# Altium PCB RTM_SFP_no-teardrops.PcbDoc (part 1 of 7) (continued)
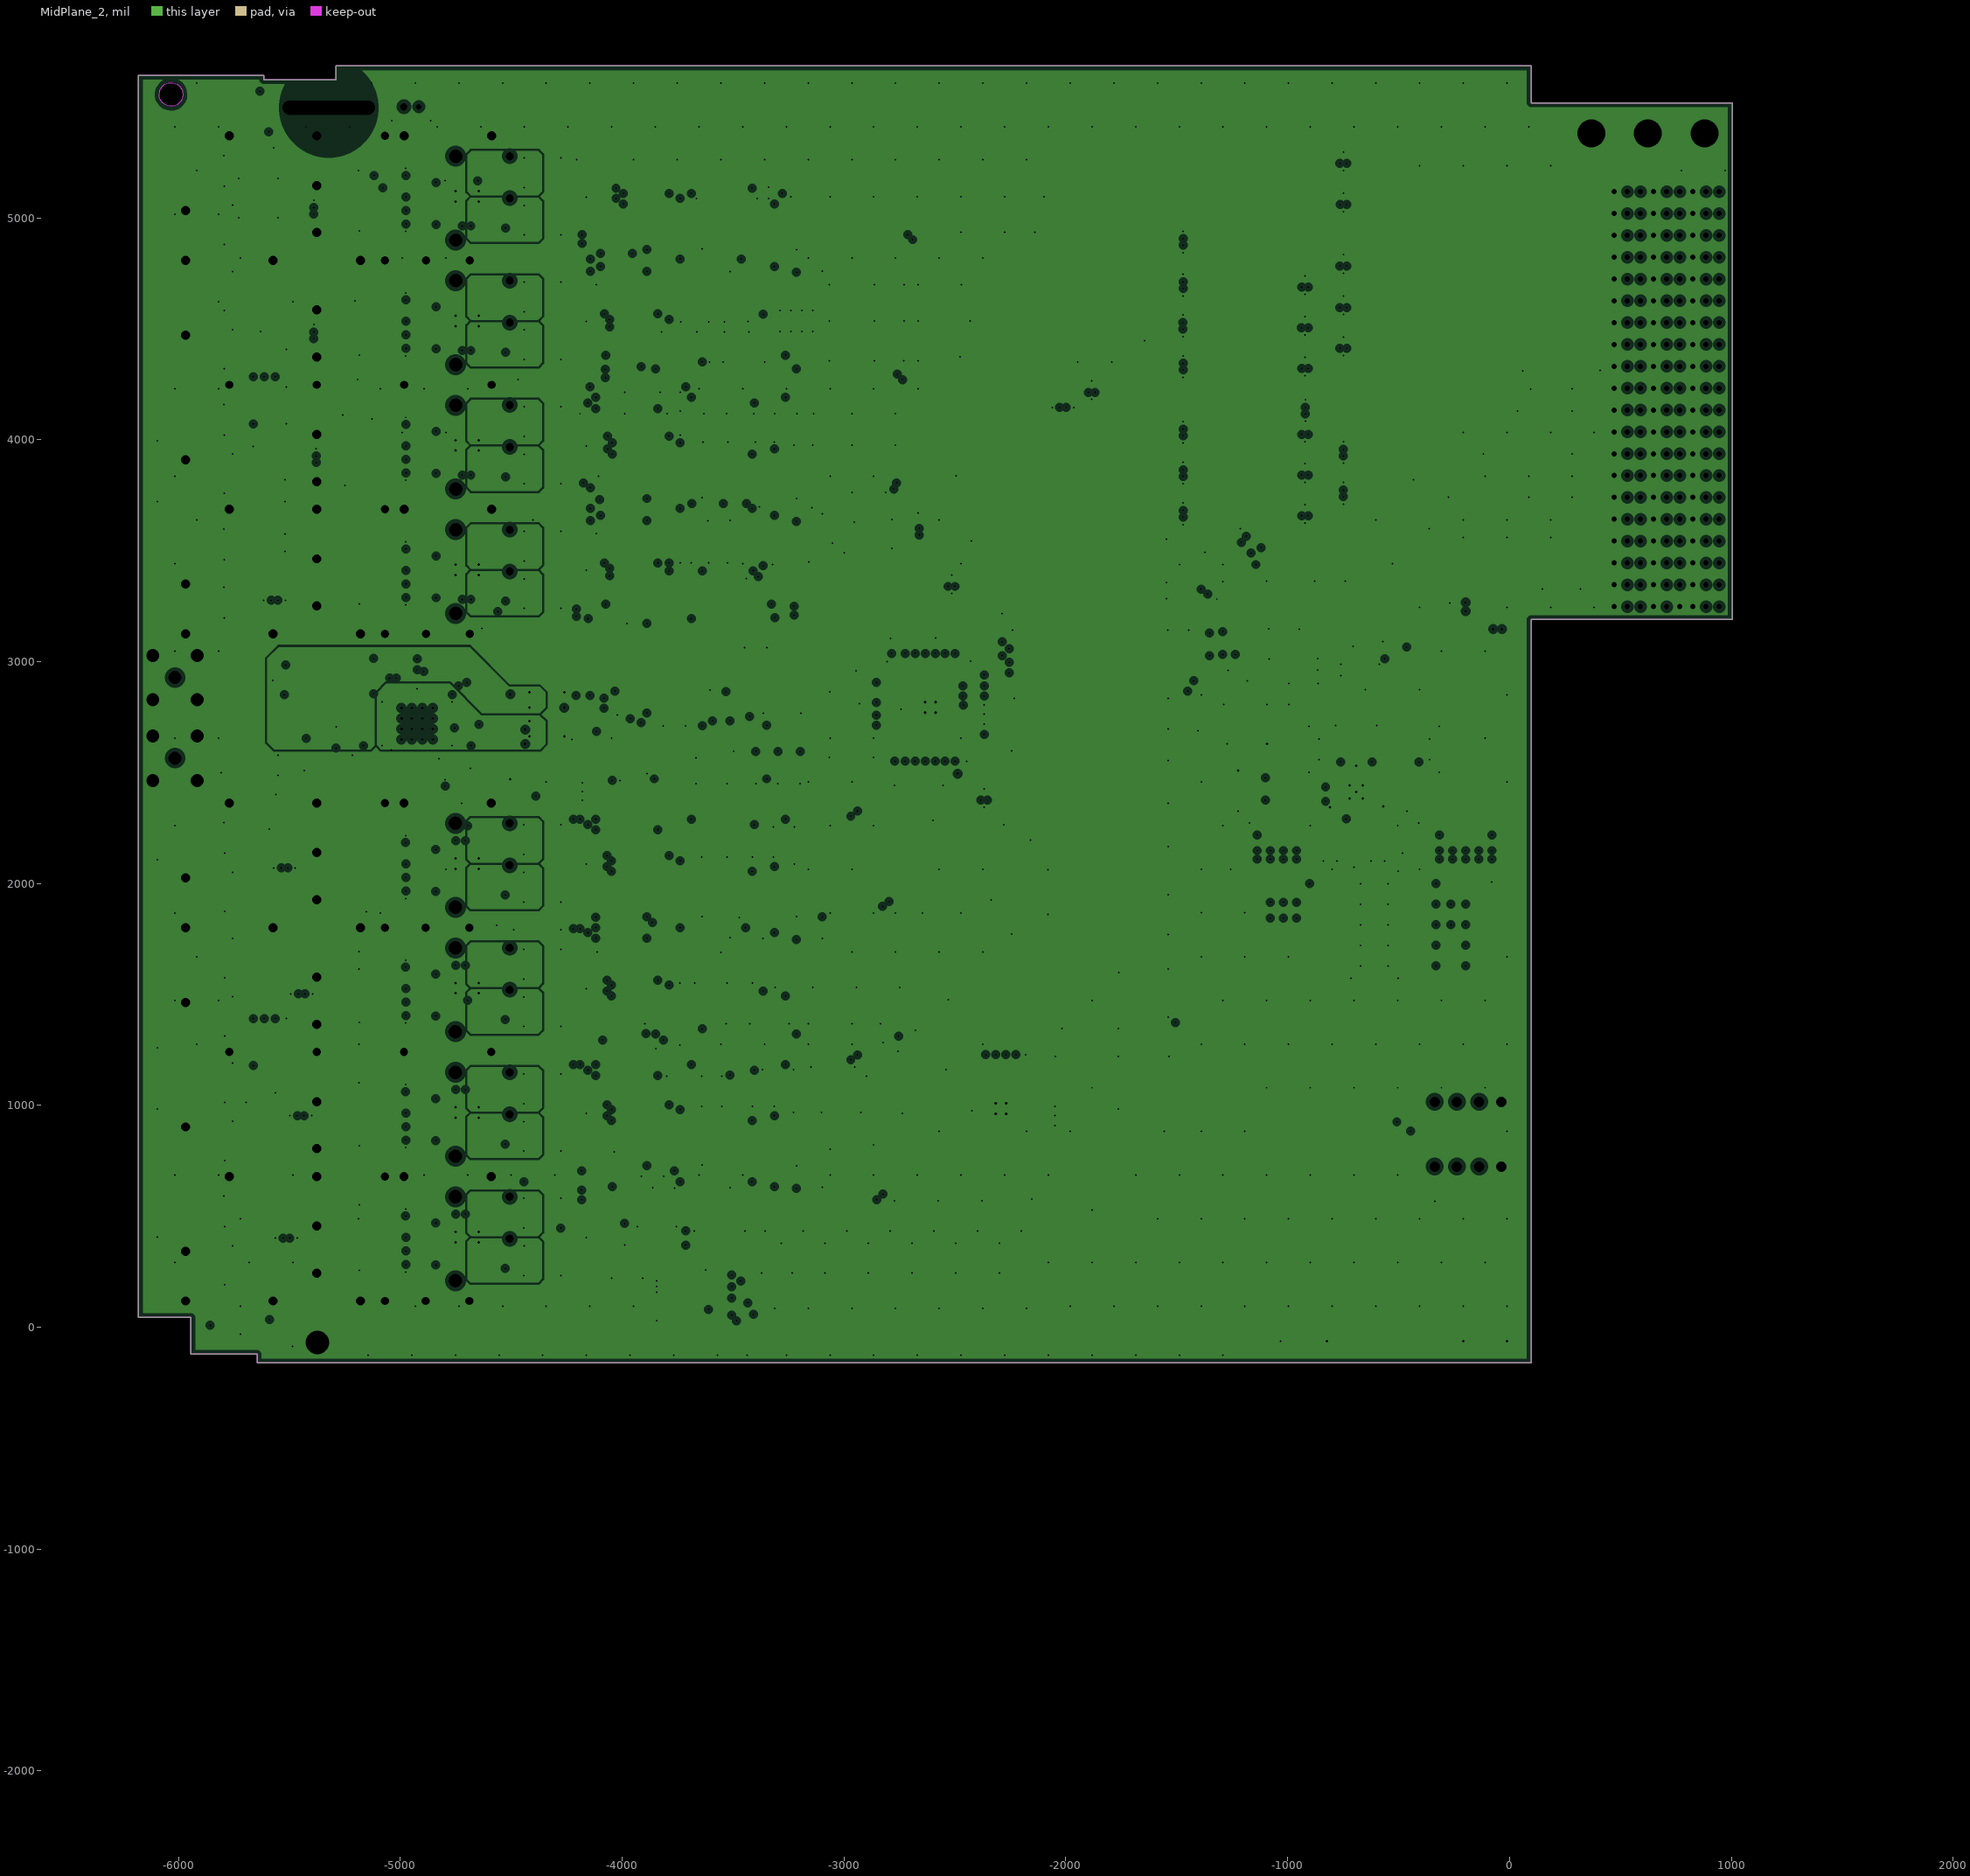
[diagram p3: MidPlane_2, clearances drawn from the general rule]
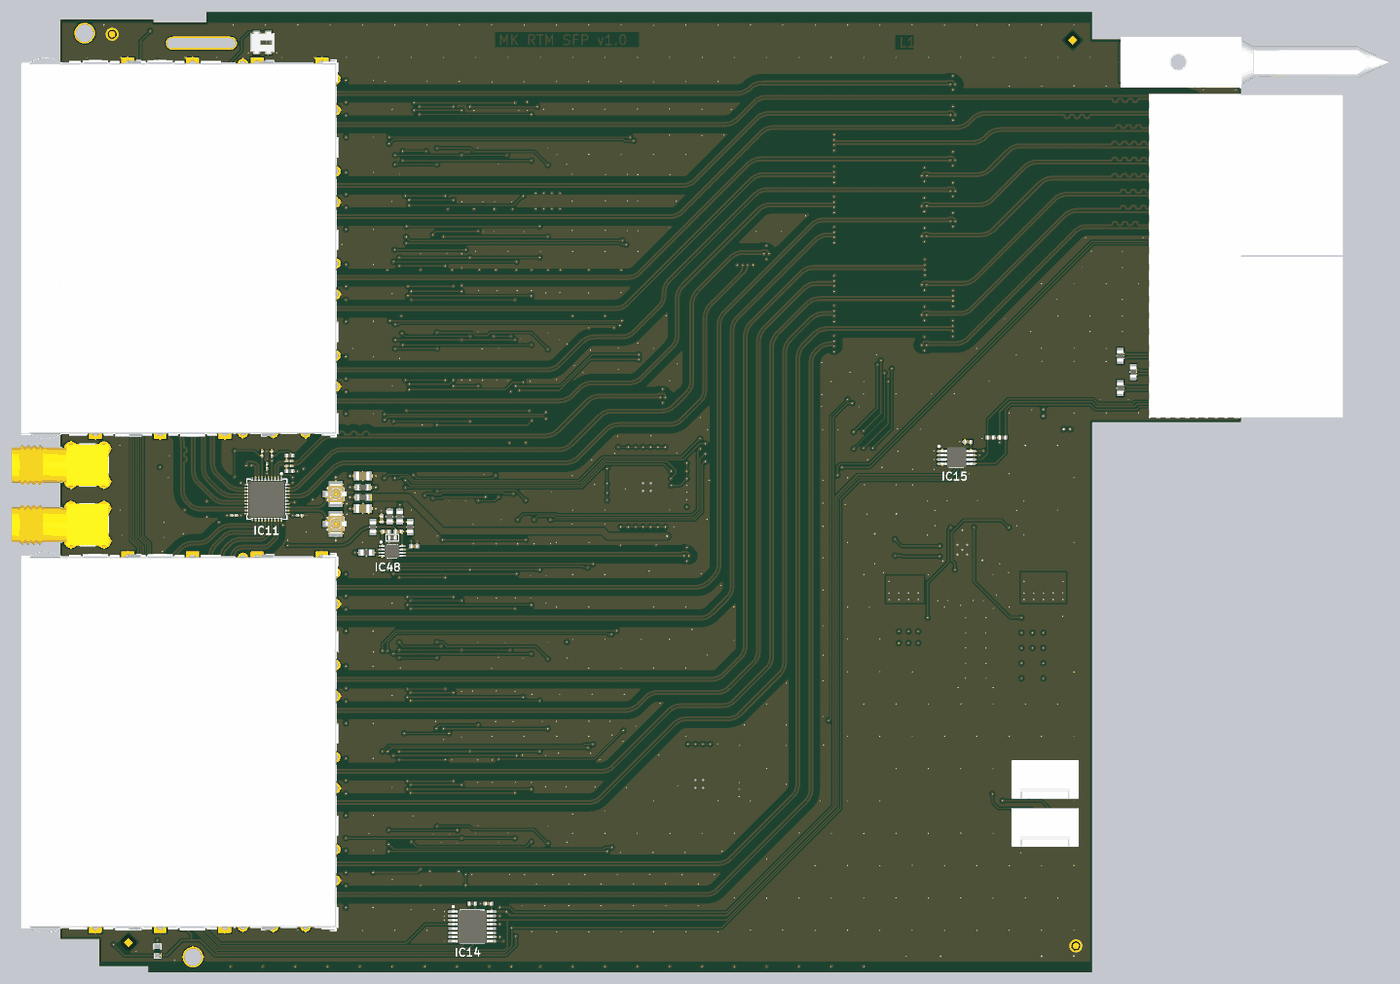
[diagram p10: 3D render of the assembled board from above, using the file's embedded part models]
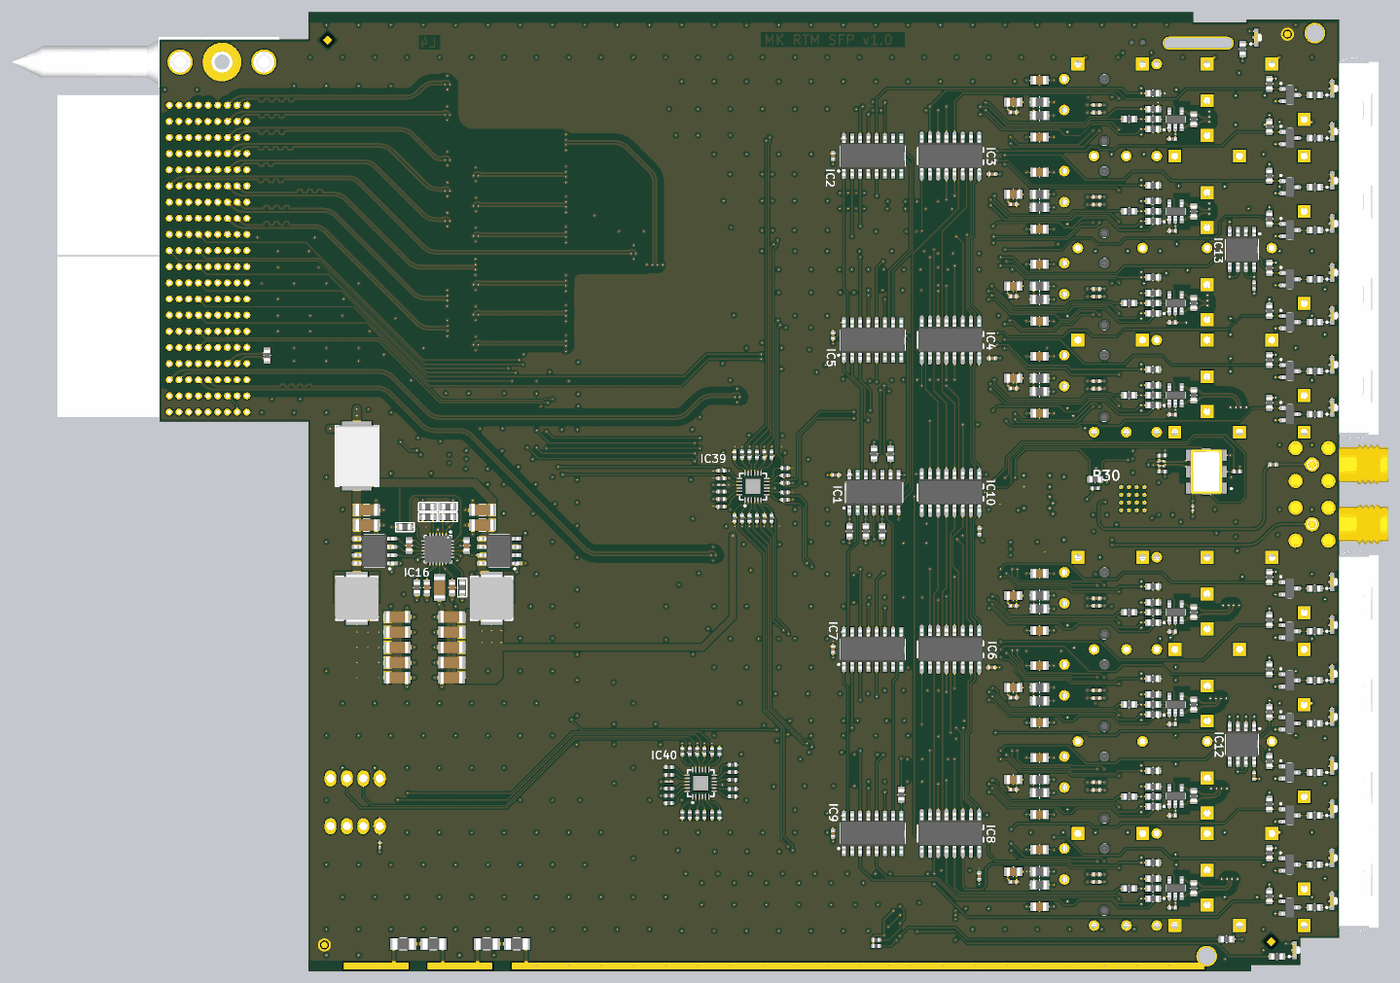
[diagram p11: 3D render of the assembled board from below, using the file's embedded part models]

## Layer stack, top to bottom
Top Layer: signal copper 1.4
Dielectric: prepreg 15, FR-4, Dk 4.8
MidPlane_1: plane copper 1.4, net (Multiple Nets)
Dielectric: core 27.9528, FR-4, Dk 4.8
MidPlane_2: plane copper 1.4, net (Multiple Nets)
Dielectric: prepreg 15, FR-4, Dk 4.8
Bottom Layer: signal copper 1.4

## Board outline
-5944.92,-121.57 -5944.92,43.73 -6181.12,43.73 -6181.12,5642.23 -5615.72,5642.23 -5615.72,5622.53 -5291.32,5622.53 -5291.32,5685.53 98.38,5685.53 98.38,5518.13 1003.88,5518.13 1003.88,3189.43 98.38,3189.43 98.38,-160.97 -5645.72,-160.97 -5645.72,-121.57
cut-out: -6032.33,5609.03 cw(c-6032.33,5557.82) -5996.12,5594.03 cw(c-6032.33,5557.82) -5981.12,5557.82 -5981.12,5554.03 cw(c-6029.4,5554.03) -5995.26,5519.89 -6001.12,5514.03 cw(c-6025.26,5538.17) -6025.26,5504.03 -6036.12,5504.03 cw(c-6036.12,5552.32) -6070.26,5518.17 -6076.12,5524.03 cw(c-6051.98,5548.17) -6086.12,5548.17 -6086.12,5559.03 cw(c-6037.83,5559.03) -6071.98,5593.17 -6066.12,5599.03 cw(c-6041.98,5574.89) -6041.98,5609.03

## Design rules (kind name [scope] priority, off if disabled: settings)
Clearance Clearance_KO [OnLayer('Keep-Out Layer')] p1: gap=10
Clearance Clearance_Poly_DS [(InDifferentialPairClass('All Differential Pairs')) vs InPolygon] p2: gap=40
Clearance Clearance_Poly [InPolygon] p3: gap=8
Clearance Clearance_DS&CLK [(InNet('SFP_CLK*') OR InNet('FPGA_CLK*'))] p4: gap=6
Clearance Clearance_DS&RTM [WithinRoom('U_RTM_Connectors')] p5: gap=6
Clearance Clearance_DS [All] p6: gap=50
Clearance [All] p7: gap=6
DiffPairsRouting [All] p1: maxlimit=6 minlimit=6 mostfreqgap=6 maxuncoupledlength=500
HoleSize [All] p1: absolutevalues=TRUE maxlimit=472.44 minlimit=1 maxpercent=80.000 minpercent=20.000
MinimumSolderMaskSliver [All] p1: minsoldermaskwidth=0
PlaneClearance [All] p1: clearance=16.73
PlaneConnect PlaneConnect_Via [IsVia] p1: planeconnectstyle=Direct reliefexpansion=20 reliefentries=4 reliefconductorwidth=10 reliefairgap=10
PlaneConnect [All] p2: planeconnectstyle=Relief reliefexpansion=10 reliefentries=4 reliefconductorwidth=10 reliefairgap=10
PolygonConnect PolygonConnect_Via [IsVia] p1: connectstyle=Direct reliefconductorwidth=10 reliefentries=4 polygonreliefangle="90 Angle"
PolygonConnect [All] p2: connectstyle=Relief reliefconductorwidth=10 reliefentries=4 polygonreliefangle="90 Angle"
RoomDefinition U_PWR [InComponentClass('U_PWR')] p1: confinementstyle=ConfineIn formatcopy=TRUE lockcomponents=FALSE outline -1223.64,1737.46 23.21,1737.46 23.21,2711.47 -1223.64,2711.47
RoomDefinition RTM_SFP_TOP [InComponentClass('RTM_SFP_TOP')] p2: confinementstyle=ConfineIn formatcopy=TRUE lockcomponents=FALSE outline -6376,-49.94 -197.65,-49.94 -197.65,5430.37 -6376,5430.37
RoomDefinition U_USR_IO_IPMI [InComponentClass('U_USR_IO_IPMI')] p3: confinementstyle=ConfineIn formatcopy=TRUE lockcomponents=FALSE outline -5961.83,-106.99 -5961.83,44.9 -5727.57,44.9 -5727.57,5606.91 -5623.91,5606.91 -5623.91,5594.11 -4861.11,5594.11 -4861.11,3124.76 -400.04,3124.76 -400.04,3067.36 -589.02,3067.36 -589.02,2892.95 -3314.21,2892.95 -3314.21,-35.79 -5554.61,-35.79 -5554.61,-94.31 -5732.14,-94.31 -5732.14,-110.93 -5872.22,-110.93 -5872.22,-106.99
RoomDefinition U_Serial_Registers [InComponentClass('U_Serial_Registers')] p4: confinementstyle=ConfineIn formatcopy=TRUE lockcomponents=FALSE outline -4114.98,371.32 -3066.16,371.32 -3066.16,5065.8 -4114.98,5065.8
RoomDefinition U_RTM_Connectors [InComponentClass('U_RTM_Connectors')] p5: confinementstyle=ConfineIn formatcopy=TRUE lockcomponents=FALSE outline -79.53,3189.37 1672.83,3189.37 1672.83,5226.77 -79.53,5226.77
RoomDefinition U_I2C_Switch [InComponentClass('U_I2C_Switch')] p6: confinementstyle=ConfineIn formatcopy=TRUE lockcomponents=FALSE outline -2851.34,2685.08 -2851.34,2934.8 -2753.31,2934.8 -2753.31,3034.41 -2470.12,3034.41 -2470.12,2919.25 -2370.51,2919.25 -2370.51,1226.33 -2151.67,1226.33 -2151.67,1140.15 26.91,1140.15 26.91,594.94 -312.26,594.94 -312.26,569.33 -361.79,569.33 -361.79,594.94 -400.96,594.94 -400.96,745.31 -2434.86,745.31 -2434.86,876.8 -2532.89,876.8 -2532.89,2553.58 -2753.31,2553.58 -2753.31,2685.08
RoomDefinition U_Clock_Distribution [InComponentClass('U_Clock_Distribution')] p7: confinementstyle=ConfineIn formatcopy=TRUE lockcomponents=FALSE outline -6492.14,2469.74 -4261.83,2469.74 -4261.83,3087.85 -6492.14,3087.85
RoomDefinition U_SFP8 [InComponentClass('U_SFP8')] p8: confinementstyle=ConfineIn formatcopy=TRUE lockcomponents=FALSE outline -6375.21,4768.95 -4059.86,4768.95 -4059.86,5409.11 -6375.21,5409.11
RoomDefinition U_SFP7 [InComponentClass('U_SFP7')] p9: confinementstyle=ConfineIn formatcopy=TRUE lockcomponents=FALSE outline -6375.21,4207.93 -4059.86,4207.93 -4059.86,4848.09 -6375.21,4848.09
RoomDefinition U_SFP6 [InComponentClass('U_SFP6')] p10: confinementstyle=ConfineIn formatcopy=TRUE lockcomponents=FALSE outline -6375.21,3646.91 -4059.86,3646.91 -4059.86,4287.06 -6375.21,4287.06
RoomDefinition U_SFP5 [InComponentClass('U_SFP5')] p11: confinementstyle=ConfineIn formatcopy=TRUE lockcomponents=FALSE outline -6375.21,3085.88 -4059.86,3085.88 -4059.86,3726.04 -6375.21,3726.04
RoomDefinition U_SFP4 [InComponentClass('U_SFP4')] p12: confinementstyle=ConfineIn formatcopy=TRUE lockcomponents=FALSE outline -6376,1761.87 -4059.86,1761.87 -4059.86,2402.02 -6376,2402.02
RoomDefinition U_SFP3 [InComponentClass('U_SFP3')] p13: confinementstyle=ConfineIn formatcopy=TRUE lockcomponents=FALSE outline -6376,1200.84 -4059.86,1200.84 -4059.86,1841 -6376,1841
RoomDefinition U_SFP2 [InComponentClass('U_SFP2')] p14: confinementstyle=ConfineIn formatcopy=TRUE lockcomponents=FALSE outline -6376,639.82 -4059.86,639.82 -4059.86,1279.98 -6376,1279.98
RoomDefinition U_SFP1 [InComponentClass('U_SFP1')] p15: confinementstyle=ConfineIn formatcopy=TRUE lockcomponents=FALSE outline -6376,78.8 -4059.86,78.8 -4059.86,718.95 -6376,718.95
RoutingVias [All] p1: holewidth=7.87 width=23.62 viastyle="Through Hole" minholewidth=7.87 minwidth=23.62 maxholewidth=23.62 maxwidth=47.24
SilkToSilkClearance [All] p1: silktosilkclearance=6
SilkscreenOverComponentPads [IsPad] p1: minsilkscreentomaskgap=0
SolderMaskExpansion [All] p1: expansion=4
Width Width_DS [(InDifferentialPairClass('All Differential Pairs'))] p1: maxlimit=12 minlimit=6 preferedwidth=12
Width [All] p2: maxlimit=50 minlimit=6 preferedwidth=6
21 further rules are at their usual default settings.

## Classes and differential pairs
component class U_PWR: C9 C10 C11 C12 C14 C15 C84 C176 C179 C180 C181 C182 C207 C208 C209 C210 C213 C280 C386 IC16 L1 L2 R17 R18 R53 R54 R195 R246 R248 T5 T6
channel class SFP: U_SFP1 U_SFP2 U_SFP3 U_SFP4 U_SFP5 U_SFP6 U_SFP7 U_SFP8
component class U_SFP8: C13H C186H C202H C214H C219H C220H C228H IC20H J5H L5H L11H LD1H LD2H R1H R10H R11H R12H R105H R107H R109H R400H R403H R404H T1H T2H
component class U_SFP7: C13G C186G C202G C214G C219G C220G C228G IC20G J5G L5G L11G LD1G LD2G R1G R10G R11G R12G R105G R107G R109G R400G R403G R404G T1G T2G
component class U_SFP6: C13F C186F C202F C214F C219F C220F C228F IC20F J5F L5F L11F LD1F LD2F R1F R10F R11F R12F R105F R107F R109F R400F R403F R404F T1F T2F
component class U_SFP5: C13E C186E C202E C214E C219E C220E C228E IC20E J5E L5E L11E LD1E LD2E R1E R10E R11E R12E R105E R107E R109E R400E R403E R404E T1E T2E
component class U_SFP4: C13D C186D C202D C214D C219D C220D C228D IC20D J5D L5D L11D LD1D LD2D R1D R10D R11D R12D R105D R107D R109D R400D R403D R404D T1D T2D
component class U_SFP3: C13C C186C C202C C214C C219C C220C C228C IC20C J5C L5C L11C LD1C LD2C R1C R10C R11C R12C R105C R107C R109C R400C R403C R404C T1C T2C
component class U_SFP2: C13B C186B C202B C214B C219B C220B C228B IC20B J5B L5B L11B LD1B LD2B R1B R10B R11B R12B R105B R107B R109B R400B R403B R404B T1B T2B
component class U_SFP1: C13A C186A C202A C214A C219A C220A C228A IC20A J5A L5A L11A LD1A LD2A R1A R10A R11A R12A R105A R107A R109A R400A R403A R404A T1A T2A
component class U_USR_IO_IPMI: C21 C25 C26 C27 IC12 IC13 IC14 IC15 LDx LDy LED17 PB1 R7 R8 R9 R14 R15 R16 R31 R32
component class RTM_SFP_TOP: Cage1 Cage2 FTG1 FTG2 FTG3 FTG4 FTG5 FTG6 FTG7 FTG8 R19 R20 R21 R22
component class U_Clock_Distribution: C5 C24 C390 C391 C392 C393 C394 C395 C396 C397 C399 C400 C401 IC11 J4 J12 J13 L19 L20 OSC1 R30 R311 R312 R313 R314 R315 R391
component class U_I2C_Switch: C402 C403 C404 CON4 CON11 IC39 IC40 R28 R29 R316 R317 R318 R319 R320 R321 R322 R323 R324 R325 R326 R327 R328 R329 R330 R331 R332 R333 R334 R335 R336 R337 R338 R339 R340 R341 R342 R343 R344 R345 R346 R347 R348 R349 R350 R351 R352 R353 R354 R355 R356 R357
component class U_RTM_Connectors: C16 C17 C18 C19 F1 IC48 J1 J2 J3 J6 R23 R24 R25 R26 R27 R33 R34 R35 R36 R211
component class U_Serial_Registers: C1 C2 C3 C4 C6 C7 C8 C20 C22 C23 IC1 IC2 IC3 IC4 IC5 IC6 IC7 IC8 IC9 IC10 R2 R3 R4 R5 R6 R13
differential pair CLK_EXT: +CLK_EXT_P -CLK_EXT_N
differential pair FPGA_CLK2: +FPGA_CLK2_P -FPGA_CLK2_N
differential pair FPGA_CLK1: +FPGA_CLK1_P -FPGA_CLK1_N
differential pair SFP1RX: +SFP1RX_P -SFP1RX_N
differential pair SFP1TX: +SFP1TX_P -SFP1TX_N
differential pair SFP2RX: +SFP2RX_P -SFP2RX_N
differential pair SFP2TX: +SFP2TX_P -SFP2TX_N
differential pair SFP3RX: +SFP3RX_P -SFP3RX_N
differential pair SFP3TX: +SFP3TX_P -SFP3TX_N
differential pair SFP4RX: +SFP4RX_P -SFP4RX_N
differential pair SFP4TX: +SFP4TX_P -SFP4TX_N
differential pair SFP5RX: +SFP5RX_P -SFP5RX_N
differential pair SFP5TX: +SFP5TX_P -SFP5TX_N
differential pair SFP6RX: +SFP6RX_P -SFP6RX_N
differential pair SFP6TX: +SFP6TX_P -SFP6TX_N
differential pair SFP7RX: +SFP7RX_P -SFP7RX_N
differential pair SFP7TX: +SFP7TX_P -SFP7TX_N
differential pair SFP8RX: +SFP8RX_P -SFP8RX_N
differential pair SFP8TX: +SFP8TX_P -SFP8TX_N
differential pair SFP_CLK1.CLOCK: +SFP_CLK1.CLOCK_P -SFP_CLK1.CLOCK_N
differential pair SFP_CLK2.CLOCK: +SFP_CLK2.CLOCK_P -SFP_CLK2.CLOCK_N
differential pair SFP_CLK3.CLOCK: +SFP_CLK3.CLOCK_P -SFP_CLK3.CLOCK_N
differential pair SFP_CLK4.CLOCK: +SFP_CLK4.CLOCK_P -SFP_CLK4.CLOCK_N
differential pair SFP_CLK5.CLOCK: +SFP_CLK5.CLOCK_P -SFP_CLK5.CLOCK_N
differential pair SFP_CLK6.CLOCK: +SFP_CLK6.CLOCK_P -SFP_CLK6.CLOCK_N
differential pair SFP_CLK7.CLOCK: +SFP_CLK7.CLOCK_P -SFP_CLK7.CLOCK_N
differential pair SFP_CLK8.CLOCK: +SFP_CLK8.CLOCK_P -SFP_CLK8.CLOCK_N
differential pair SI_CLK: +SI_CLK_P -SI_CLK_N
differential pair SYNC_CLK: +SYNC_CLK_P -SYNC_CLK_N

## Components (designator, comment, footprint, x,y, rotation, side; value= is the part's Value field where it differs from the comment)
C1 "100nF" CAPC1005X55N -3990.16,2521.65 r270 bottom
C2 "100nF" CAPC1005X55N -3988.78,418.9 r270 bottom
C3 "100nF" CAPC1005X55N -3098.43,679.38 r270 bottom
C4 "100nF" CAPC1005X55N -3098.43,1801.43 r270 bottom
C5 "100nF" CAPC1005X55N -5778.54,2928.2 r180 bottom
C6 "100nF" CAPC1005X55N -4067.32,4698.43 r180 bottom
C7 "100nF" CAPC1005X55N -4067.32,3576.47 r180 bottom
C8 "100nF" CAPC1005X55N -3098.43,4808.52 r270 bottom
C9 "10uF" CAPC3216X140N -962.6,2558.66 r180 bottom
C10 "10uF" CAPC3216X140N -962.6,2651.18 r180 bottom
C11 "100nF" CAPC1608X87N -516.14,2434.25 r90 bottom
C12 "10uF" CAPC3216X140N -256.69,2558.66 r0 bottom
C13A "10uF" CAPC2012X135N -4196.85,446.84 r0 bottom (schematic designator C13)
C13B "10uF" CAPC2012X135N -4196.85,1007.87 r0 bottom (schematic designator C13)
C13C "10uF" CAPC2012X135N -4196.85,1568.89 r0 bottom (schematic designator C13)
C13D "10uF" CAPC2012X135N -4196.85,2129.91 r0 bottom (schematic designator C13)
C13E "10uF" CAPC2012X135N -4196.85,3453.94 r0 bottom (schematic designator C13)
C13F "10uF" CAPC2012X135N -4196.85,4014.96 r0 bottom (schematic designator C13)
C13G "10uF" CAPC2012X135N -4196.85,4575.98 r0 bottom (schematic designator C13)
C13H "10uF" CAPC2012X135N -4196.85,5137.01 r0 bottom (schematic designator C13)
C14 "10uF" CAPC3216X140N -256.69,2651.18 r0 bottom
C15 "22uF" CAPC3216X180N -443.7,1628.74 r0 bottom
C16 "100nF" CAPC1005X55N -4226.77,2599.61 r90 top
C17 "100nF" CAPC1005X55N -4027.17,2433.46 r0 top
C18 "100nF" CAPC1005X55N -4124.52,2522.83 r0 top
C19 "100nF" CAPC1005X55N -4199.32,2522.83 r180 top
C20 "100nF" CAPC1005X55N -3098.43,3714.03 r270 bottom
C21 "100nF" CAPC1005X55N -5663.8,1030.32 r270 bottom
C22 "100nF" CAPC1005X55N -4063.78,1691.43 r180 bottom
C23 "100nF" CAPC1005X55N -3113.78,2864.17 r0 bottom
C24 "10uF" CAPC2012X135N -4339.76,2662.6 r180 top
C25 "100nF" CAPC1005X55N -5663.8,4018.7 r270 bottom
C26 "100nF" CAPC1005X55N -3575.98,257.48 r180 top
C27 "100nF" CAPC1005X55N -657.09,3069.69 r180 top
C84 "1uF" CAPC1608X87N -777.95,2178.35 r270 bottom
C176 "22uF" CAPC3216X180N -774.41,1998.82 r180 bottom
C179 "22uF" CAPC3216X180N -774.41,1906.3 r180 bottom
C180 "22uF" CAPC3216X180N -774.41,1813.78 r180 bottom
C181 "22uF" CAPC3216X180N -774.41,1628.74 r180 bottom
C182 "22uF" CAPC3216X180N -774.41,1721.26 r180 bottom
C186A "100nF" CAPC1005X55N -4197.24,385.43 r0 bottom (schematic designator C186)
C186B "100nF" CAPC1005X55N -4196.85,946.46 r0 bottom (schematic designator C186)
C186C "100nF" CAPC1005X55N -4196.85,1507.48 r0 bottom (schematic designator C186)
C186D "100nF" CAPC1005X55N -4196.85,2068.5 r0 bottom (schematic designator C186)
C186E "100nF" CAPC1005X55N -4196.85,3392.91 r0 bottom (schematic designator C186)
C186F "100nF" CAPC1005X55N -4196.85,3953.54 r0 bottom (schematic designator C186)
C186G "100nF" CAPC1005X55N -4196.85,4514.57 r0 bottom (schematic designator C186)
C186H "100nF" CAPC1005X55N -4196.85,5075.98 r0 bottom (schematic designator C186)
C202A "100nF" CAPC1005X55N -5165.75,227.95 r0 bottom (schematic designator C202)
C202B "100nF" CAPC1005X55N -5165.75,788.98 r0 bottom (schematic designator C202)
C202C "100nF" CAPC1005X55N -5165.75,1346.06 r0 bottom (schematic designator C202)
C202D "100nF" CAPC1005X55N -5165.75,1909.06 r0 bottom (schematic designator C202)
C202E "100nF" CAPC1005X55N -5165.75,3231.89 r0 bottom (schematic designator C202)
C202F "100nF" CAPC1005X55N -5165.75,3793.31 r0 bottom (schematic designator C202)
C202G "100nF" CAPC1005X55N -5165.75,4352.36 r0 bottom (schematic designator C202)
C202H "100nF" CAPC1005X55N -5165.75,4912.99 r0 bottom (schematic designator C202)
C207 "22uF" CAPC3216X180N -701.18,2178.35 r90 bottom
C208 "22uF" CAPC3216X180N -443.7,1906.3 r0 bottom
C209 "22uF" CAPC3216X180N -443.7,1998.82 r0 bottom
C210 "22uF" CAPC3216X180N -443.7,1813.78 r0 bottom
C213 "22uF" CAPC3216X180N -443.7,1721.26 r0 bottom
C214A "100nF" CAPC1005X55N -4702.76,429.92 r180 bottom (schematic designator C214)
C214B "100nF" CAPC1005X55N -4702.76,990.94 r180 bottom (schematic designator C214)
C214C "100nF" CAPC1005X55N -4702.76,1551.97 r180 bottom (schematic designator C214)
C214D "100nF" CAPC1005X55N -4702.76,2112.99 r180 bottom (schematic designator C214)
C214E "100nF" CAPC1005X55N -4702.76,3437.02 r180 bottom (schematic designator C214)
C214F "100nF" CAPC1005X55N -4702.76,3998.04 r180 bottom (schematic designator C214)
C214G "100nF" CAPC1005X55N -4702.76,4559.06 r180 bottom (schematic designator C214)
C214H "100nF" CAPC1005X55N -4702.76,5120.09 r180 bottom (schematic designator C214)
C219A "10uF" CAPC2012X135N -4356.3,233.46 r0 bottom (schematic designator C219)
C219B "10uF" CAPC2012X135N -4356.3,794.48 r0 bottom (schematic designator C219)
C219C "10uF" CAPC2012X135N -4356.3,1355.5 r0 bottom (schematic designator C219)
C219D "10uF" CAPC2012X135N -4356.3,1916.53 r0 bottom (schematic designator C219)
C219E "10uF" CAPC2012X135N -4356.3,3240.55 r0 bottom (schematic designator C219)
C219F "10uF" CAPC2012X135N -4356.3,3801.58 r0 bottom (schematic designator C219)
C219G "10uF" CAPC2012X135N -4356.3,4362.6 r0 bottom (schematic designator C219)
C219H "10uF" CAPC2012X135N -4356.3,4923.62 r0 bottom (schematic designator C219)
C220A "10uF" CAPC2012X135N -4356.3,580.7 r0 bottom (schematic designator C220)
C220B "10uF" CAPC2012X135N -4356.3,1141.72 r0 bottom (schematic designator C220)
C220C "10uF" CAPC2012X135N -4356.3,1702.75 r0 bottom (schematic designator C220)
C220D "10uF" CAPC2012X135N -4356.3,2263.77 r0 bottom (schematic designator C220)
C220E "10uF" CAPC2012X135N -4356.3,3587.8 r0 bottom (schematic designator C220)
C220F "10uF" CAPC2012X135N -4356.3,4148.82 r0 bottom (schematic designator C220)
C220G "10uF" CAPC2012X135N -4356.3,4709.84 r0 bottom (schematic designator C220)
C220H "10uF" CAPC2012X135N -4356.3,5270.87 r0 bottom (schematic designator C220)
C228A "100nF" CAPC1005X55N -4702.76,383.27 r180 bottom (schematic designator C228)
C228B "100nF" CAPC1005X55N -4702.76,944.29 r180 bottom (schematic designator C228)
C228C "100nF" CAPC1005X55N -4702.76,1505.31 r180 bottom (schematic designator C228)
C228D "100nF" CAPC1005X55N -4702.76,2066.34 r180 bottom (schematic designator C228)
C228E "100nF" CAPC1005X55N -4702.76,3390.36 r180 bottom (schematic designator C228)
C228F "100nF" CAPC1005X55N -4702.76,3951.39 r180 bottom (schematic designator C228)
C228G "100nF" CAPC1005X55N -4702.76,4512.41 r180 bottom (schematic designator C228)
C228H "100nF" CAPC1005X55N -4702.76,5073.43 r180 bottom (schematic designator C228)
C280 "100nF" CAPC1608X87N -866.54,2434.25 r90 bottom
C386 "1uF" CAPC1608X87N -624.41,2178.35 r90 bottom
C390 "10uF" CAPC2012X135N -4339.76,2861.42 r180 top
C391 "100nF" CAPC0603X33N -5289.76,2660.63 r90 bottom
C392 "100nF" CAPC0603X33N -5098.82,2949.61 r180 bottom